# Altium PCB SEC_3002_DZ&HL.PcbDoc (part 4 of 7) (continued)
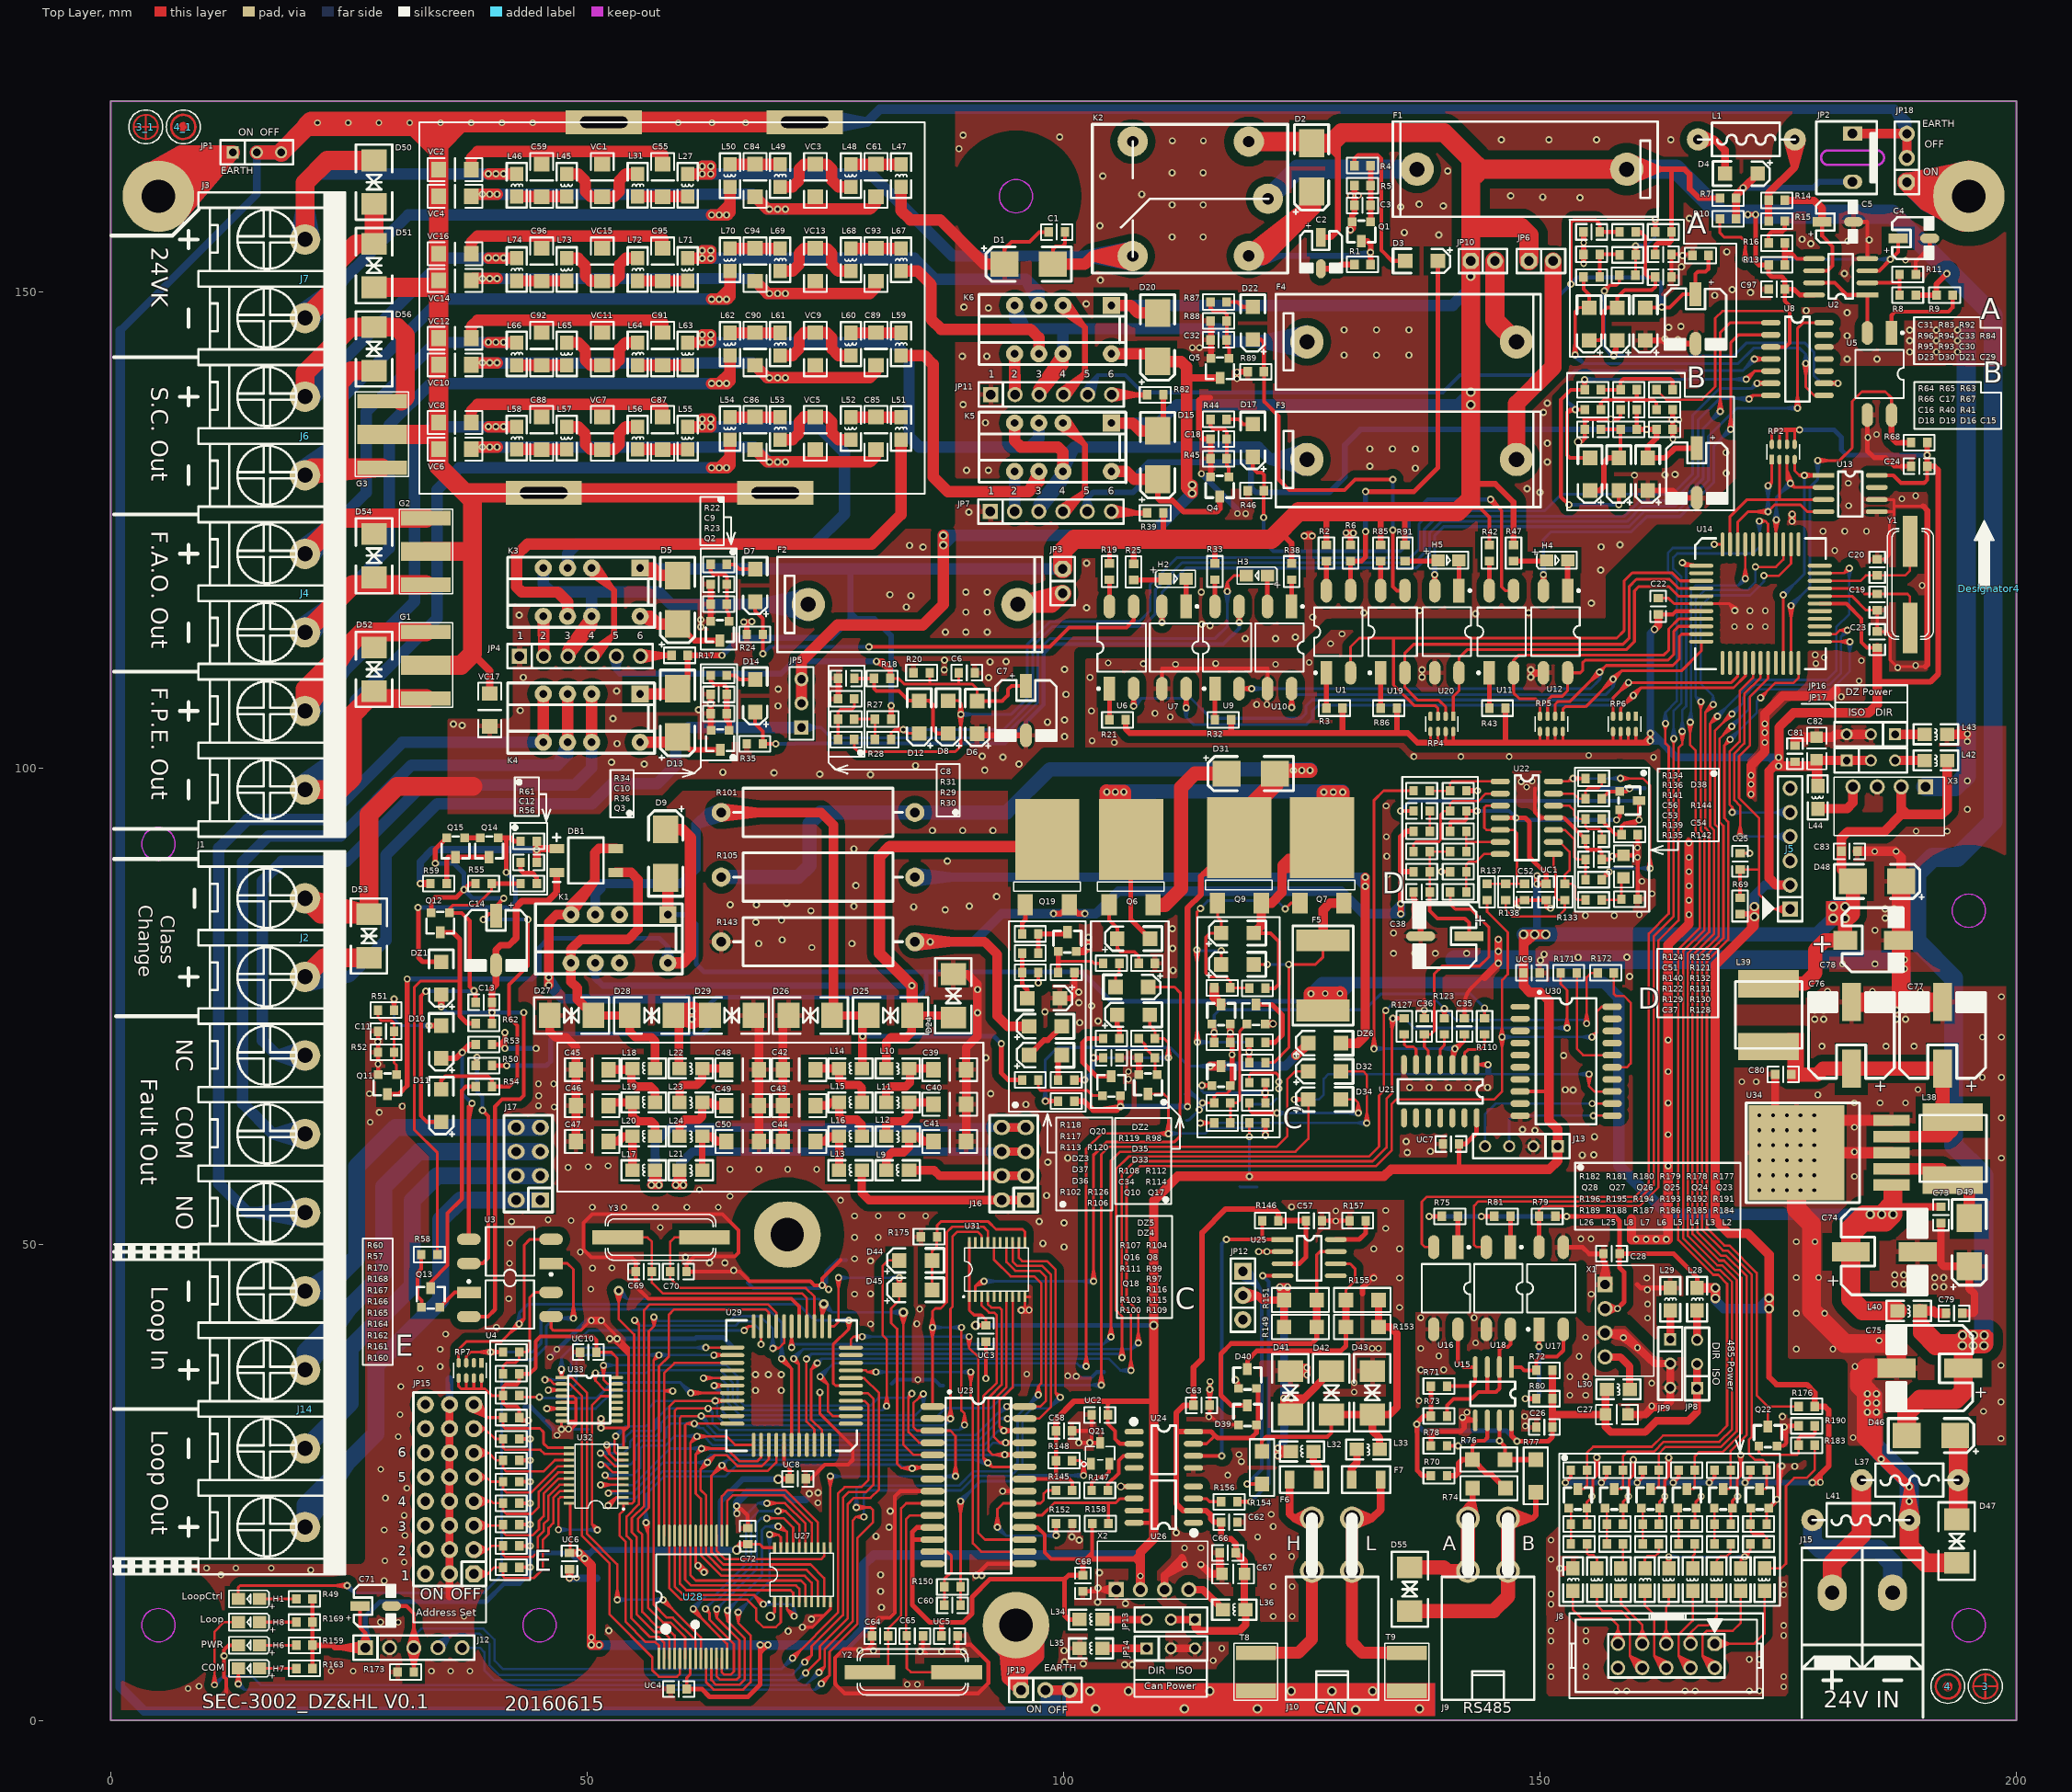
[diagram p0: Top Layer view]
## Nets (pads, with @x,y where several pads share a name; then routed paths per layer and width w, separated by ;. In a path a pad name is that pad's centre, name@x,y a point inside that pad or via, vN(x,y) a via of type N, cw(c..) or ccw(c..) an arc to the next point about the centre after c; other vN are vias at no path point) (continued)
JUMP2: JP15.A8 R168.1 U32.11 | length 20.9
  Top Layer w0.3: JP15.A8@37.68,32.544 39.473,31.792 ; JP15.A8@37.819,32.814 39.473,31.792 ; JP15.A8@38.098,33.167 39.473,31.792 ; JP15.A8@38.451,33.446 39.473,31.792 ; JP15.A8@38.721,33.585 39.473,31.792 ; U32.11@48.107,28.634 45.873,28.634 45.404,29.103 45.404,30.281 45.029,30.656 41.374,30.656 41.171,30.859 R168.1@41.171,31.792 39.473,31.792
L1_24V_SEND: D34.A U21.1 U29.17 U30.13 | length 149.1
  Top Layer w0.254: v1@71.197,39.178 71.449,40.293 v1@71.702,39.178 ; v1(71.449,39.15) U29.17@71.449,41.371 ; v1@104.722,40.302 104.974,41.417 v1@105.227,40.302 ; v1(104.974,40.274) 104.974,58.761 105.917,59.703 124.317,59.703 125.679,61.065 D34.A@125.679,65.186 v1(124.223,65.186) ; v1@124.251,64.934 125.366,65.186 v1@124.251,65.438 ; U21.1@143.34,68.842 v1(144.546,68.842) U21.1@143.403,68.842 ; v1@144.518,68.589 U21.1@143.403,68.842 ; v1@144.518,69.094 U21.1@143.403,68.842 ; v1@154.889,67.818 155.142,66.703 ; v1@155.394,67.818 155.142,66.703 ; U30.13@157.567,66.025 155.703,66.025 155.142,66.586 v1(155.142,67.846) 155.142,66.703
  Bottom Layer w0.254: v1(71.449,39.15) 71.787,39.488 104.189,39.488 ; v1@104.775,40.432 104.189,39.488 ; v1@105.132,40.075 104.189,39.488 ; v1(124.223,65.186) 125.643,65.186 126.769,65.186 127.294,65.711 127.294,66.837 127.294,67.342 127.799,67.846 128.303,67.846 v1(155.142,67.846) 153.999,67.846 ; v1@124.251,64.934 125.366,65.186 v1@124.251,65.438 ; 144.377,67.859 v1@144.377,68.826 ; v1@144.518,68.589 143.403,68.842 ; v1@144.518,69.094 143.403,68.842 ; 144.546,67.875 v1(144.546,68.842) 143.403,68.842 ; 144.735,67.853 v1@144.735,68.821 ; v1@155.114,67.594 153.999,67.846 ; v1@155.114,68.099 153.999,67.846 ; 104.189,39.488 v1(104.974,40.274) 104.189,39.488
L1_24V_SHUTOFF: D32.A U29.28 | length 110.5
  Top Layer w0.254: v1(63.321,35.148) U29.28@65.226,35.148 ; v1@63.349,34.896 64.464,35.148 v1@63.349,35.4 ; v1@103.705,35.229 103.957,36.344 v1@104.21,35.229 ; v1(103.957,35.201) 103.957,59.418 104.747,60.207 122.345,60.207 123.463,61.325 123.463,67.268 124.335,68.14 D32.A@125.679,68.14
  Bottom Layer w0.254: v1@63.16,34.952 64.239,34.23 ; v1(63.321,35.148) 64.239,34.23 ; v1@63.517,35.309 64.239,34.23 ; 94.984,35.201 94.773,35.201 ; v1@103.929,34.948 102.814,35.201 ; v1@103.929,35.453 102.814,35.201 ; 64.239,34.23 64.239,32.396 65.106,31.529 86.358,31.529 87.612,32.783 92.355,32.783 94.773,35.201 ; 94.773,35.201 v1(103.957,35.201) 102.814,35.201
L1_AD: R137.1 U29.40 U30.20 | length 167.2
  Top Layer w0.254: v1@71.515,37.77 72.237,37.403 ; v1(71.664,37.975) 72.237,37.403 ; v1@71.869,38.125 72.237,37.403 ; U29.40@72.237,28.925 72.237,37.403 ; v1@107.588,39.671 107.841,40.785 v1@108.093,39.671 ; v1(107.841,39.642) 107.841,42.942 106.603,44.179 106.603,56.77 108.025,58.191 132.788,58.191 134.416,59.82 134.416,64.685 134.907,65.176 145.173,65.176 146.014,66.017 146.014,72.738 ; R137.1@144.448,86.117 144.448,84.882 146.615,82.715 146.615,78.323 146.014,77.722 146.014,72.738 ; v1@145.76,71.735 145.777,71.803 146.014,72.738 ; v1@145.761,71.725 146.014,70.61 ; 146.014,70.6 v1@146.266,71.715 ; v1@146.014,71.595 146.014,72.738 ; v1@146.245,71.702 146.225,71.79 146.014,72.738 ; v1@155.317,71.951 155.971,72.253 ; v1(155.462,71.743) 155.971,72.253 ; v1@155.67,71.598 155.971,72.253 ; U30.20@157.567,74.915 156.476,74.915 155.971,74.41 155.971,72.253
  Bottom Layer w0.254: v1@71.503,38.172 72.584,38.895 v1@71.86,37.814 ; v1(71.664,37.975) 72.673,38.984 107.182,38.984 ; v1@107.638,39.796 107.182,38.984 ; v1@107.994,39.44 107.182,38.984 ; v1(146.014,71.743) v1(155.462,71.743) 154.319,71.743 ; v1@146.042,71.491 147.157,71.743 v1@146.042,71.995 ; v1@155.433,71.491 154.319,71.743 ; v1@155.433,71.995 154.319,71.743 ; 107.182,38.984 v1(107.841,39.642) 107.182,38.984
L1_FAULT: Q17.C R109.1 U29.2 | length 110.1
  Top Layer w0.254: v1@74.283,35.892 75.281,35.251 ; v1(74.442,36.09) 75.281,35.251 ; v1@74.64,36.249 75.281,35.251 ; U29.2@77.672,31.948 75.767,31.948 75.281,32.434 75.281,35.251 ; v1@102.114,37.2 102.366,38.315 v1@102.619,37.2 ; v1(102.366,37.172) 102.366,59.986 103.983,61.603 v1(111.003,61.603) ; Q17.C@108.861,65.766 110.536,65.766 111.003,65.299 v1(111.003,61.603) ; v1@110.75,61.631 111.003,62.746 v1@111.255,61.631 ; v1@110.975,61.35 109.86,61.603 ; v1@110.975,61.855 109.86,61.603 ; v1@120.935,61.443 121.187,62.558 v1@121.44,61.443 ; v1(121.187,61.415) R109.1@121.187,62.715 ; 109.86,61.603 v1(111.003,61.603)
  Bottom Layer w0.254: v1@74.281,36.286 75.362,37.009 v1@74.639,35.928 ; v1(74.442,36.09) 75.825,37.472 101.407,37.472 101.707,37.172 ; v1@102.317,36.923 101.707,37.172 ; v1@102.317,37.421 101.707,37.172 ; v1(111.003,61.603) 114.849,61.603 115.459,62.213 120.837,62.213 ; v1@111.031,61.35 112.146,61.603 v1@111.031,61.855 ; v1@120.942,61.348 120.837,62.213 ; v1@121.402,61.55 120.837,62.213 ; 101.707,37.172 v1(102.366,37.172) 101.707,37.172 ; 120.837,62.213 121.187,61.863 ; 120.837,62.213 v1(121.187,61.415) ; v1(121.187,61.415) 121.187,61.863 ; v1(121.187,61.415) 121.187,61.863 ; 121.187,61.863 120.944,61.487 121.187,61.863 ; 121.187,61.863 121.431,61.487 121.187,61.863
L1_LED: H8.K U31.12 | length 161.4
  Top Layer w0.254: v2@10.666,3.744 10.888,4.834 ; v2(10.888,3.722) 10.888,4.834 ; v2@10.888,3.728 10.888,9.311 11.898,10.321 H8.K@13.386,10.321 ; v2@11.11,3.744 10.888,4.834 ; v1@74.165,5.251 74.928,5.659 ; v1(74.316,5.047) 74.928,5.659 ; v1@74.52,4.896 74.928,5.659 ; v1@78.993,21.121 78.25,21.372 ; v1@78.993,21.622 78.25,21.372 ; U31.12@95.299,50.179 95.299,48.556 95.649,48.206 98.245,48.206 99.157,47.294 99.157,34.399 ; v1@99.433,33.77 99.157,34.399 ; v1@99.786,34.123 99.157,34.399 ; 74.928,5.659 74.928,7.485 77.855,10.413 77.855,20.977 78.25,21.372 ; 78.25,21.372 v1(79.035,21.372) 78.25,21.372 ; 99.157,34.399 v1(99.643,33.913) 99.157,34.399
  Bottom Layer w0.254: v2@10.745,3.893 11.776,4.61 v2@11.059,3.579 ; v2(10.888,3.722) 11.791,4.625 14.823,4.625 15.726,3.722 72.99,3.722 v1(74.316,5.047) 73.396,4.128 ; v1@74.12,5.209 73.396,4.128 ; v1@74.477,4.851 73.396,4.128 ; v1(79.035,21.372) 79.035,23.71 79.469,24.145 89.228,24.145 90.735,25.652 94.47,25.652 95.675,26.857 95.675,27.134 95.679,27.138 95.679,31.785 96.646,32.752 98.482,32.752 v1(99.643,33.913) 98.723,32.993 ; v1@99.447,34.074 98.723,32.993 ; v1@99.804,33.717 98.723,32.993
L1_RECEIVE: R127.2 R171.1 U29.43 | length 156.8
  Top Layer w0.254: v1@73.942,37.656 73.508,36.867 ; v1@74.297,37.301 73.508,36.867 ; U29.43@74.65,28.925 74.65,30.452 73.508,31.593 73.508,36.867 ; v1@106.819,36.767 107.072,37.882 v1@107.324,36.767 ; v1(107.072,36.739) 107.072,42.619 106.088,43.602 106.088,57.356 107.427,58.695 132.426,58.695 133.883,60.152 133.883,65.273 ; 133.883,65.273 134.457,65.847 v1@134.457,73.357 ; v1@134.299,73.685 134.457,72.493 ; v1@134.576,73.944 R127.2@135.696,73.713 ; v1@134.586,73.44 R127.2@135.696,73.713 ; v1@134.802,73.645 134.457,72.493 ; v1@134.813,73.713 R127.2@135.744,73.713 ; R171.1@152.16,78.477 152.16,77.314 152.836,76.638 v1(152.836,72.69) ; v1@152.584,72.718 152.836,73.833 v1@153.089,72.718 ; 73.508,36.867 v1(74.145,37.504) 73.508,36.867 ; 134.457,72.493 v1(134.552,73.691) R127.2@135.696,73.713
  Bottom Layer w0.254: v1@74.002,37.714 74.617,37.976 ; v1(74.145,37.504) 74.617,37.976 ; v1@74.355,37.362 74.617,37.976 ; v1@107.043,36.487 105.962,36.739 ; v1@107.043,36.991 105.962,36.739 ; v1(134.552,73.691) 135.778,73.691 136.773,72.696 v1@152.836,72.696 ; v1@134.581,73.439 135.695,73.691 v1@134.581,73.944 ; v1@152.807,72.438 151.693,72.696 ; v1@152.809,72.942 151.693,72.696 ; v1(152.836,72.69) 151.693,72.696 ; 74.617,37.976 104.725,37.976 105.962,36.739 ; 105.962,36.739 v1(107.072,36.739) 105.962,36.739
L1_SHUTOFF: D35.A U31.2 | length 70.1
  Top Layer w0.3: U31.2@90.749,44.479 90.749,45.607 ; v1@91.51,46.281 90.749,45.607 ; v1@91.728,45.877 90.749,45.607 ; v1@102.922,46.112 103.153,47.372 v1@103.383,46.112 ; v1(103.153,46.091) 103.153,59.398 103.192,59.398 104.528,60.734 111.638,60.734 112.224,61.32 112.224,64.752 112.241,64.769 112.241,76.392 111.638,76.996 D35.A@108.876,76.996 ; 90.749,45.607 91.233,46.091 ; 90.749,45.607 v1(91.642,46.091) ; 91.233,46.091 v1(91.642,46.091) ; 91.233,46.091 91.577,45.87 91.233,46.091 ; 91.233,46.091 91.577,46.313 91.233,46.091 ; 91.233,46.091 v1(91.642,46.091) ; 91.233,46.091 v1(91.642,46.091)
  Bottom Layer w0.3: v1(91.642,46.091) v1(103.153,46.091) 101.872,46.091 ; v1@91.663,45.861 92.923,46.091 v1@91.663,46.321 ; v1@103.132,45.861 101.872,46.091 ; v1@103.132,46.321 101.872,46.091
L1_SUPERPOSITION: R123.2 R172.1 U29.42 | length 144.8
  Top Layer w0.254: v1(73.004,37.951) 73.004,31.385 73.837,30.552 U29.42@73.837,28.925 ; v1@105.876,38.132 106.129,39.247 v1@106.381,38.132 ; v1(106.129,38.104) 106.129,42.421 105.499,43.05 105.499,57.872 106.827,59.199 132.038,59.199 133.098,60.259 133.098,65.588 133.599,66.089 133.599,74.321 v1(133.806,74.527) ; v1@139.709,74.682 R123.2@139.961,73.713 ; v1@140.213,74.682 R123.2@139.961,73.713 ; v1@154.642,73.185 154.895,74.3 v1@155.147,73.185 ; v1(154.895,73.157) 154.895,78.004 155.367,78.477 R172.1@156.055,78.477 ; R123.2@139.961,73.713 v1(139.961,74.714) R123.2@139.961,73.713
  Bottom Layer w0.254: v1@72.857,38.158 73.533,38.48 ; v1(73.004,37.951) 73.533,38.48 ; v1@73.211,37.804 73.533,38.48 ; v1(106.129,38.104) 105.753,38.48 73.533,38.48 ; v1(133.806,74.527) 134.849,75.571 139.105,75.571 v1(139.961,74.714) 141.144,73.532 154.52,73.532 v1(154.895,73.157)
LED: D44.A U33.14 | length 61.9
  Top Layer w0.254: v1@50.606,36.428 50.857,35.665 ; v1@51.108,36.428 50.857,35.665 ; U33.14@53.145,34.683 51.839,34.683 50.857,35.665 ; v1@81.18,33.032 81.457,34.142 ; v1@81.685,33.021 81.457,34.142 ; D44.A@82.754,48.285 81.573,48.285 80.991,47.703 80.991,40.442 81.457,39.976 81.457,33.023 v1(81.432,32.998) 81.457,34.142 ; 50.857,35.665 v1(50.857,36.468) 50.857,35.665
  Bottom Layer w0.254: v1(50.857,36.468) 56.189,36.468 56.501,36.781 63.942,36.781 65.282,35.44 65.282,33.523 66.253,32.553 80.986,32.553 ; v1@81.22,33.138 80.986,32.553 ; v1@81.571,32.786 80.986,32.553 ; 80.986,32.553 v1(81.432,32.998) 80.986,32.553
LINE_INPUT: C12.1 DB1.2 R59.2 R61.2 | length 21.3
  Top Layer w0.8: v1(32.481,87.843) R59.2@33.552,87.843 v1@32.596,87.843 ; C12.1@44.703,90.068 v1(44.703,91.412) R61.2@44.703,92.294 ; v1@44.814,91.523 DB1.2@46.8,91.523
  Bottom Layer w0.8: v1(32.481,87.843) 32.481,90.134 33.759,91.412 v1(44.703,91.412)
LOOP+: D25.A D26.K K1.4 L14.2 R101.2 R102.2 | length 116.2
  Top Layer w0.5: 93.462,69.155 v1(93.462,71.036) 93.462,67.955 94.185,67.232 R102.2@95.651,67.232
  Top Layer w0.9: D26.K@75.63,74.005 D26.K@75.712,74.005 D25.A@79.464,74.005 ; L14.2@78.897,68.442 78.897,73.51 v1(78.915,71.815) L14.2@78.897,68.734
  Top Layer w1: R101.2@64.067,95.314 74.527,95.314 75.843,93.998 D26.K@75.843,74.135 ; R101.2@64.098,94.815 68.067,95.314 R101.2@64.098,95.813
  Bottom Layer w0.5: v1(78.915,71.815) 92.682,71.815 ; 92.682,71.815 v1(93.462,71.036) 92.682,71.815
  Bottom Layer w1: 50.811,86.71 51.425,87.324 ; K1.4@50.843,84.588 50.843,87.233 ; 51.457,87.847 59.86,87.847 61.426,89.413 61.426,94.035 ; R101.2@63.811,95.743 61.426,94.035 ; R101.2@64.245,94.847 61.426,94.035 ; 61.426,94.035 62.705,95.314 ; 61.426,94.035 R101.2@64.067,95.314 ; 62.705,95.314 R101.2@64.067,95.314 ; 62.705,95.314 63.975,94.822 62.705,95.314 ; 62.705,95.314 63.975,95.805 62.705,95.314 ; 62.705,95.314 R101.2@64.067,95.314 ; 62.705,95.314 R101.2@64.067,95.314
LOOP-: D24.A D25.K K1.9 L10.2 Q19.D | length 97.1
  Top Layer w0.9: L10.2@81.405,68.442 81.405,71.226 81.897,71.718 83.509,71.718 84.036,72.245 D25.K@84.036,73.658 ; D25.K@84.036,74.005 D25.K@84.118,74.005 D24.A@87.87,74.005
  Top Layer w1.2: 81.149,80.062 v1(84.076,77.135) D25.K@84.118,74.005 84.118,77.093 80.69,80.521 80.69,90.673 81.764,91.747 97.558,91.747 Q19.D@98.287,92.475
  Bottom Layer w0.7: K1.9@50.3,79.411 50.843,77.94 ; K1.9@51.386,79.411 50.843,77.94 ; 81.595,77.135 v1(84.076,77.135) 51.648,77.135 50.843,77.94 ; 50.843,77.94 K1.9@50.843,79.508 50.843,77.94
LOOP_IN+: J16.5 J16.6 L21.2 | length 91.9
  Top Layer w0.9: v1(59.298,56.205) 59.693,56.205 ; v1(59.298,56.205) L21.2@59.693,57.743 ; v1(59.298,56.205) 59.693,56.141 ; v1(59.298,56.205) L21.2@59.693,57.743 ; v1(59.298,56.205) 59.693,56.205 ; v1(59.298,56.205) v1(60.089,56.205) ; v1(59.298,56.205) v1(60.089,56.205) ; v1(59.298,56.205) v1(60.089,56.205) ; v1(59.298,56.205) v1(60.089,56.205) ; v1(59.298,56.205) v1(60.089,56.205) ; 59.693,56.141 L21.2@59.693,57.743 ; 59.693,56.141 v1(60.089,56.205) ; 59.693,56.141 v1(60.089,56.205) ; 59.693,56.205 L21.2@59.693,57.743 ; 59.693,56.205 v1(60.089,56.205) ; 59.693,56.205 v1(60.089,56.205) ; 59.693,56.205 v1(60.089,56.205) ; 59.693,56.205 v1(60.089,56.205) ; 59.693,56.205 v1(60.089,56.205) ; L21.2@59.693,57.743 v1(60.089,56.205) ; L21.2@59.693,57.743 v1(60.089,56.205) ; L21.2@59.693,57.743 v1(60.089,56.205) ; L21.2@59.693,57.743 v1(60.089,56.205) ; J16.6@93.492,59.71 J16.5@96.032,59.71 93.592,59.71 95.932,59.71 J16.6@93.492,59.71
  Bottom Layer w0.9: 89.892,59.71 J16.6@93.392,59.71 ; v1(59.298,56.205) 59.693,56.205 ; v1(59.298,56.205) 59.693,58.36 ; v1(59.298,56.205) 59.693,56.141 ; v1(59.298,56.205) v1(60.089,56.205) ; v1(59.298,56.205) v1(60.089,56.205) ; v1(59.298,56.205) v1(60.089,56.205) ; 59.693,56.141 59.693,58.36 ; 59.693,56.141 v1(60.089,56.205) ; 59.693,56.141 v1(60.089,56.205) ; 59.693,56.205 v1(60.089,56.205) ; 59.693,56.205 v1(60.089,56.205) ; 59.693,56.205 v1(60.089,56.205) ; 59.693,58.36 61.043,59.71 J16.6@93.492,59.71 ; 59.693,58.36 v1(60.089,56.205) ; 59.693,58.36 v1(60.089,56.205) ; J16.6@93.492,59.71 J16.5@96.032,59.71 93.592,59.71 95.932,59.71 J16.6@93.492,59.71
LOOP_IN+_CHECK: D28.A D29.K DB1.3 K1.5 L22.2 | length 80
  Top Layer w0.9: L22.2@59.615,68.442 D28.A@59.615,73.805
  Top Layer w1: 50.768,88.086 K1.5@48.303,84.588 ; DB1.3@53,91.523 51.23,91.523 50.792,91.085 50.792,88.111 48.303,85.621 ; v1(45.961,78.015) v1(45.961,77.179) v1(45.961,78.015) ; v1(45.961,78.015) 45.961,83.782 46.768,84.588 ; 46.768,84.588 K1.5@48.303,84.588 ; 46.768,84.588 K1.5@48.303,84.588 ; K1.5@48.303,84.588 48.303,85.621 ; K1.5@48.303,84.588 48.303,85.621
  Top Layer w2: D28.A@59.048,74.005 61.004,74.005 ; D28.A@59.048,74.005 v1(61.004,74.46) ; D28.A@59.048,74.005 v1(61.004,73.619) ; D28.A@59.048,74.005 v1(61.004,73.619) ; v1(61.004,73.619) D29.K@62.881,74.005 ; v1(61.004,73.619) 61.004,74.005 ; v1(61.004,73.619) 61.004,74.005 ; v1(61.004,73.619) D29.K@62.881,74.005 ; v1(61.004,73.619) v1(61.004,74.46) ; v1(61.004,73.619) v1(61.004,74.46) ; 61.004,74.005 D29.K@62.881,74.005 ; 61.004,74.005 v1(61.004,74.46) ; 61.004,74.005 v1(61.004,74.46) ; v1(61.004,74.46) D29.K@62.881,74.005
  Bottom Layer w1: v1(45.961,77.179) 47.384,75.757 ; v1(45.961,77.179) v1(45.961,78.015) ; v1(45.961,77.179) v1(45.961,78.015) ; v1(45.961,77.179) v1(45.961,78.015) ; v1(45.961,78.015) 47.384,75.757 ; 47.384,75.757 60.543,75.757 ; 60.543,75.757 61.004,75.295 ; 60.543,75.757 v1(61.004,74.46) ; 60.543,75.757 v1(61.004,73.619) ; v1(61.004,73.619) 61.004,75.295 ; v1(61.004,73.619) v1(61.004,74.46) ; v1(61.004,73.619) v1(61.004,74.46) ; v1(61.004,74.46) 61.004,75.295
LOOP_IN-: J16.7 J16.8 L17.2 | length 88.4
  Top Layer w0.9: v1(56.74,56.205) 57.134,56.205 ; v1(56.74,56.205) v1(57.53,56.205) ; v1(56.74,56.205) L17.2@57.134,57.743 ; v1(56.74,56.205) 57.134,56.205 ; v1(56.74,56.205) v1(57.53,56.205) ; v1(56.74,56.205) L17.2@57.134,57.743 ; 57.134,56.205 v1(57.53,56.205) ; 57.134,56.205 L17.2@57.134,57.743 ; 57.134,56.205 v1(57.53,56.205) ; 57.134,56.205 v1(57.53,56.205) ; 57.134,56.205 v1(57.53,56.205) ; L17.2@57.134,57.743 v1(57.53,56.205) ; J16.8@93.492,62.25 J16.7@96.032,62.25 93.592,62.25 95.932,62.25 J16.8@93.492,62.25
  Bottom Layer w0.9: 89.892,62.25 J16.8@93.392,62.25 ; v1(56.74,56.205) 57.134,56.205 ; v1(56.74,56.205) v1(57.53,56.205) ; v1(56.74,56.205) 57.134,59.43 ; v1(56.74,56.205) 57.134,56.205 ; v1(56.74,56.205) v1(57.53,56.205) ; v1(56.74,56.205) 57.134,59.43 ; 57.134,56.205 v1(57.53,56.205) ; 57.134,56.205 57.134,60.647 58.738,62.25 J16.8@93.492,62.25 ; 57.134,56.205 v1(57.53,56.205) ; 57.134,56.205 v1(57.53,56.205) ; 57.134,56.205 v1(57.53,56.205) ; 57.134,59.43 v1(57.53,56.205) ; J16.8@93.492,62.25 J16.7@96.032,62.25 93.592,62.25 95.932,62.25 J16.8@93.492,62.25
LOOP_IN-_CHECK: D27.A D28.K DB1.1 K1.8 L18.2 | length 37.2
  Top Layer w0.9: D27.A@50.642,74.005 D28.K@54.476,74.005 54.476,72.3 55.041,71.734 56.719,71.734 57.134,71.319 L18.2@57.134,68.442
  Top Layer w1: D27.A@50.642,74.005 48.954,75.692 48.954,76.896 48.303,77.548 ; DB1.1@53,89.023 54.594,89.023 55.343,88.273 55.343,83.036 54.3,81.993 49.343,81.993 48.303,80.953 K1.8@48.303,79.508 ; 48.303,77.548 K1.8@48.303,79.508 ; 48.303,77.548 K1.8@48.303,79.508
LOOP_IN_DZ+: J14.3 J17.5 J17.6 | length 63.8
  Bottom Layer w1.8: 24.918,43.219 J14.3@20.387,36.805 ; 36.24,59.71 J17.6@42.44,59.71 ; J14.3@20.387,36.805 20.387,38.688 ; J14.3@20.387,36.805 20.387,38.688 ; 20.387,38.688 28.651,46.953 28.651,56.03 32.331,59.71 J17.6@42.54,59.71 ; J17.6@42.54,59.71 J17.5@45.08,59.71 42.64,59.71 44.98,59.71 J17.6@42.54,59.71
LOOP_IN_DZ-: J14.4 J17.7 J17.8 | length 59.2
  Bottom Layer w1.8: 36.24,62.25 J17.8@42.44,62.25 ; J14.4@20.387,45.055 22.332,45.055 ; J14.4@20.387,45.055 25.792,48.515 ; J14.4@20.387,45.055 22.332,45.055 ; 22.332,45.055 25.792,48.515 ; 25.792,48.515 25.792,58.13 29.912,62.25 J17.8@42.54,62.25 ; J17.8@42.54,62.25 J17.7@45.08,62.25 42.64,62.25 44.98,62.25 J17.8@42.54,62.25
LOOP_OUT+: J16.1 J16.2 L13.2 | length 40.4
  Top Layer w0.9: L13.2@78.819,57.743 78.819,55.39 79.578,54.63 J16.2@93.492,54.63 ; 89.892,54.63 J16.2@93.392,54.63 ; J16.2@93.492,54.63 J16.1@96.032,54.63 93.592,54.63 95.932,54.63 J16.2@93.492,54.63
  Bottom Layer w0.9: J16.2@93.492,54.63 J16.1@96.032,54.63 93.592,54.63 95.932,54.63 J16.2@93.492,54.63
LOOP_OUT-: J16.3 J16.4 L9.2 | length 33
  Top Layer w0.9: L9.2@83.781,57.743 86.408,57.743 86.981,57.17 J16.4@93.492,57.17 ; 89.892,57.17 J16.4@93.392,57.17 ; J16.4@93.492,57.17 J16.3@96.032,57.17 93.592,57.17 95.932,57.17 J16.4@93.492,57.17
  Bottom Layer w0.9: J16.4@93.492,57.17 J16.3@96.032,57.17 93.592,57.17 95.932,57.17 J16.4@93.492,57.17
LOOP_OUT_DZ+: J14.1 J17.1 J17.2 | length 72.8
  Bottom Layer w1.8: 24.751,27.007 J14.1@20.387,20.305 ; J17.2@42.44,54.63 36.696,54.63 ; J14.1@20.387,20.305 20.387,22.642 ; J14.1@20.387,20.305 20.387,22.642 ; 20.387,22.642 27.835,30.091 27.835,37.3 34.63,44.095 34.63,52.564 36.696,54.63 ; 36.696,54.63 J17.2@42.54,54.63 ; J17.2@42.54,54.63 J17.1@45.08,54.63 42.64,54.63 44.98,54.63 J17.2@42.54,54.63
LOOP_OUT_DZ-: J14.2 J17.3 J17.4 | length 58.6
  Bottom Layer w1.8: J14.2@20.387,28.555 25.115,33.284 25.115,39.077 31.641,45.603 31.641,54.573 34.238,57.17 J17.4@42.54,57.17 ; 36.24,57.17 J17.4@42.44,57.17 ; J17.4@42.54,57.17 J17.3@45.08,57.17 42.64,57.17 44.98,57.17 J17.4@42.54,57.17
LOOPCTRL: RP7.4 U3.2 U29.6 | length 81.9
  Top Layer w0.3: RP7.4@36.506,37.541 36.506,38.961 37.332,39.787 41.011,39.787 43.403,42.18 ; v1@42.671,41.779 41.834,40.61 ; v1@42.711,41.817 43.403,42.18 ; v1@42.997,41.455 41.834,40.61 ; v1@43.032,41.492 43.403,42.18 ; U3.2@46.208,50.512 43.996,50.512 43.403,49.92 43.403,42.18 ; v1@77.242,41.965 77.471,41.114 ; U29.6@77.672,35.148 76.062,35.148 75.808,35.402 75.808,39.451 77.471,41.114 ; v1@77.7,41.965 77.471,41.114 ; 41.834,40.61 v1(42.847,41.63) 43.403,42.18 ; 77.471,41.114 v1(77.471,41.995) 77.471,41.114
  Bottom Layer w0.3: v1@42.617,41.654 42.847,42.742 ; v1(42.847,41.63) 42.847,42.742 ; v1@43.077,41.654 42.847,42.742 ; v1@77.45,41.765 76.19,41.995 ; v1@77.45,42.225 76.19,41.995 ; 42.847,42.742 43.809,43.705 72.151,43.705 73.861,41.995 v1(77.471,41.995) 76.19,41.995
LOOPINCHEK: R60.1 RP7.3 U29.39 | length 66.9
  Top Layer w0.3: RP7.3@37.306,37.541 37.306,38.223 37.752,38.669 v1(39.874,38.669) ; v1@39.853,38.439 38.593,38.669 ; v1@39.853,38.899 38.593,38.669 ; v1@39.895,38.439 41.155,38.669 v1@39.895,38.899 ; R60.1@41.171,38.669 v1(39.874,38.669) ; v1@70.249,37.799 71.416,36.958 v1@70.575,38.125 ; v1(70.399,37.975) 71.449,36.925 U29.39@71.449,28.925 ; 38.593,38.669 v1(39.874,38.669)
  Bottom Layer w0.3: v1(39.874,38.669) 44.25,38.669 45.154,39.572 45.154,42.178 46.13,43.155 69.034,43.155 70.399,41.79 v1(70.399,37.975) ; v1@39.895,38.439 41.155,38.669 v1@39.895,38.899 ; v1@70.169,37.996 70.399,39.256 v1@70.629,37.996
MCU_5.0V: C22.1 C23.1 C24.1 C28.1 C81.1 C82.1 J5.2 JP16.1 JP16.2 L28.1 L44.2 R3.1 R21.1 R32.1 R43.1 R68.1 R69.1 R75.2 R79.2 R81.2 R86.1 R176.1 R177.1 R178.1 R179.1 R180.1 R181.1 R182.1 RP2.5 RP2.6 RP2.7 RP2.8 RP4.5 RP4.6 RP4.7 RP4.8 RP5.5 RP5.6 RP5.7 RP5.8 RP6.5 RP6.6 RP6.7 RP6.8 U13.8 U14.7 U14.28 X1.2 | length 429.7
  Top Layer w0.3: 138.494,102.653 RP4.5@138.494,103.808 ; 139.294,102.697 RP4.6@139.294,103.808 ; 140.094,102.667 RP4.7@140.094,103.808 ; 140.894,102.878 RP4.8@140.894,103.808 ; RP5.5@149.99,103.808 149.99,102.8 150.146,102.644 ; 150.79,102.691 RP5.6@150.79,103.808 ; 151.59,102.658 RP5.7@151.59,103.808 ; 152.299,102.644 152.39,102.734 RP5.8@152.39,103.808 ; 157.659,102.761 RP6.5@157.659,103.808 ; 158.459,102.761 RP6.6@158.459,103.808 ; 159.259,102.761 RP6.7@159.259,103.808 ; 160.059,102.761 RP6.8@160.059,103.808 ; RP2.8@174.326,133.955 174.326,135.125 174.675,135.475 ; RP2.7@175.126,133.955 175.126,135.447 ; RP2.6@175.926,133.955 175.926,135.423 ; RP2.5@176.726,133.955 176.726,135.398
  Top Layer w0.4: v1(152.666,24.962) 153.234,25.53 R182.1@153.234,26.27 ; v1(156.436,24.962) 157.004,25.53 R181.1@157.004,26.27 ; v1(160.206,24.962) 160.774,25.53 R180.1@160.774,26.27 ; C22.1@162.413,116.108 163.934,116.108 164.272,116.446 U14.7@166.919,116.446 ; v1(163.976,24.962) 164.544,25.53 R179.1@164.544,26.27 ; v1(167.746,24.962) 168.314,25.53 R178.1@168.314,26.27 ; v1(171.516,24.962) 172.084,25.53 R177.1@172.084,26.27 ; U14.28@179.365,117.234 182.157,117.234 183.735,115.655 183.735,113.192 184.317,112.61 C23.1@185.392,112.61 ; U13.8@185.344,130.702 187.084,130.702 187.882,129.904 190.318,129.904 190.638,130.223 C24.1@190.638,131.658
  Top Layer w0.5: v1(138.36,52.915) R75.2@139.685,52.915 ; v1(143.844,52.915) R81.2@145.199,52.915 ; R79.2@151.6,52.915 v1(152.795,52.915) 157.851,52.915 158.331,52.435 158.331,47.522 158.815,47.037 158.815,43.916 v2(158.127,43.228) ; X1.2@156.834,43.228 v2(158.127,43.228) ; X1.2@156.951,42.69 v2(158.127,43.228) ; X1.2@156.951,43.765 v2(158.127,43.228) ; C28.1@158.354,48.996 164.012,48.996 166.487,46.522 L28.1@166.487,45.404 ; 171.985,84.652 171.985,83.04 172.021,83.003 ; 174.675,135.475 v1(177.236,135.475)
  Top Layer w0.6: R21.1@106.512,105.038 106.512,104.07 106.921,103.66 117.581,103.66 ; R32.1@117.581,105.038 117.581,103.66 ; R3.1@129.277,106.258 129.277,103.66 ; 134.979,103.721 R86.1@134.979,106.258 ; 146.382,103.025 R43.1@146.382,106.258 ; v1(161.578,103.61) v1@161.578,103.282 ; R69.1@170.998,84.652 171.985,84.652 ; v3(174.037,43.228) 174.037,36.024 174.814,35.247 177.989,35.247 178.838,34.398 R176.1@178.838,32.962 179.913,32.962 180.291,32.584 180.291,26.699 179.388,25.796 ; v1@178.568,24.976 179.388,25.796 ; v1(178.582,24.962) 179.388,24.962 179.388,25.796 ; 179.427,25.835 179.388,25.796 ; 185.392,109.025 190.969,109.025 191.785,109.841 191.785,131.264 191.391,131.658 C24.1@190.638,131.658 v1(190.638,132.834) R68.1@190.638,134.137 ; 117.581,103.66 129.277,103.66 ; 129.277,103.66 136.118,103.66 137.135,102.644 150.146,102.644 152.299,102.644 160.939,102.644 ; 160.939,102.644 161.383,102.644 v1(161.578,102.839) v1@161.578,103.282 ; 160.939,102.644 v1@161.578,103.282
  Top Layer w0.8: v5(162.007,114.535) 162.413,114.941 C22.1@162.413,116.108
  Top Layer w1: L28.1@166.487,45.404 v3(168.399,45.404) v3(168.399,44.307) ; v3(172.496,85.441) v3(172.496,84.371) 172.496,84.002 172.487,83.993 172.487,83.435 168.385,79.333 168.385,52.522 169.781,51.125 171.791,51.125 174.037,48.879 v3(174.037,44.324) v3(174.037,43.228) ; v1@175.088,100.342 v1@175.088,100.731 ; 178.606,100.18 174.537,100.18 ; L44.2@179.039,98.196 C82.1@179.039,100.857 ; L44.2@179.149,98.086 C82.1@179.149,100.747 ; C23.1@185.392,112.61 185.392,109.025 185.392,106.646 184.506,105.761 176.59,105.761 175.088,104.259 v1@175.088,100.731 ; 174.537,100.18 174.029,99.672 174.029,88.46 174.791,87.698 ; 174.537,100.18 v1@175.088,100.731 ; 174.791,87.698 J5.2@176.246,87.698 174.791,87.698 ; JP16.1@182.183,100.776 JP16.2@184.723,100.776 JP16.1@182.183,100.776 ; JP16.1@182.183,100.776 179.119,100.776 JP16.1@182.183,100.776
  Bottom Layer w0.5: v1(138.36,52.915) v1(143.844,52.915) v1(152.795,52.915) ; v1(177.236,135.475) 180.858,135.475 181.635,134.698 181.635,133.357 182.157,132.834 v1(190.638,132.834)
  Bottom Layer w0.6: v1(152.666,24.962) v1(156.436,24.962) v1(160.206,24.962) v1(163.976,24.962) v1(167.746,24.962) v1(171.516,24.962) v1(178.582,24.962) v2@179.388,24.962
  Bottom Layer w0.8: v1@161.817,103.61 162.588,102.839 ; v5(162.007,114.535) 161.578,114.105 v1(161.578,103.61) v1(161.578,102.839) 162.588,102.839 ; 162.588,102.839 164.337,101.09 174.117,101.09 ; 174.117,101.09 v1(175.031,100.176) v1(175.031,101.09) 174.117,101.09
  Bottom Layer w1: v3(168.399,45.404) 168.399,44.098 169.269,43.228 172.941,43.228 ; 172.487,86.557 172.496,86.566 ; v3(172.496,84.371) v3(172.496,85.441) 172.496,86.566 ; 172.496,86.566 173.629,87.698 ; 172.941,43.228 v3(174.037,44.324) v3(174.037,43.228) 172.941,43.228 ; 173.629,87.698 J5.2@176.246,87.698 173.629,87.698
  other v2: 179.419,24.993